# Allegro board XS6-9.brd (continued)
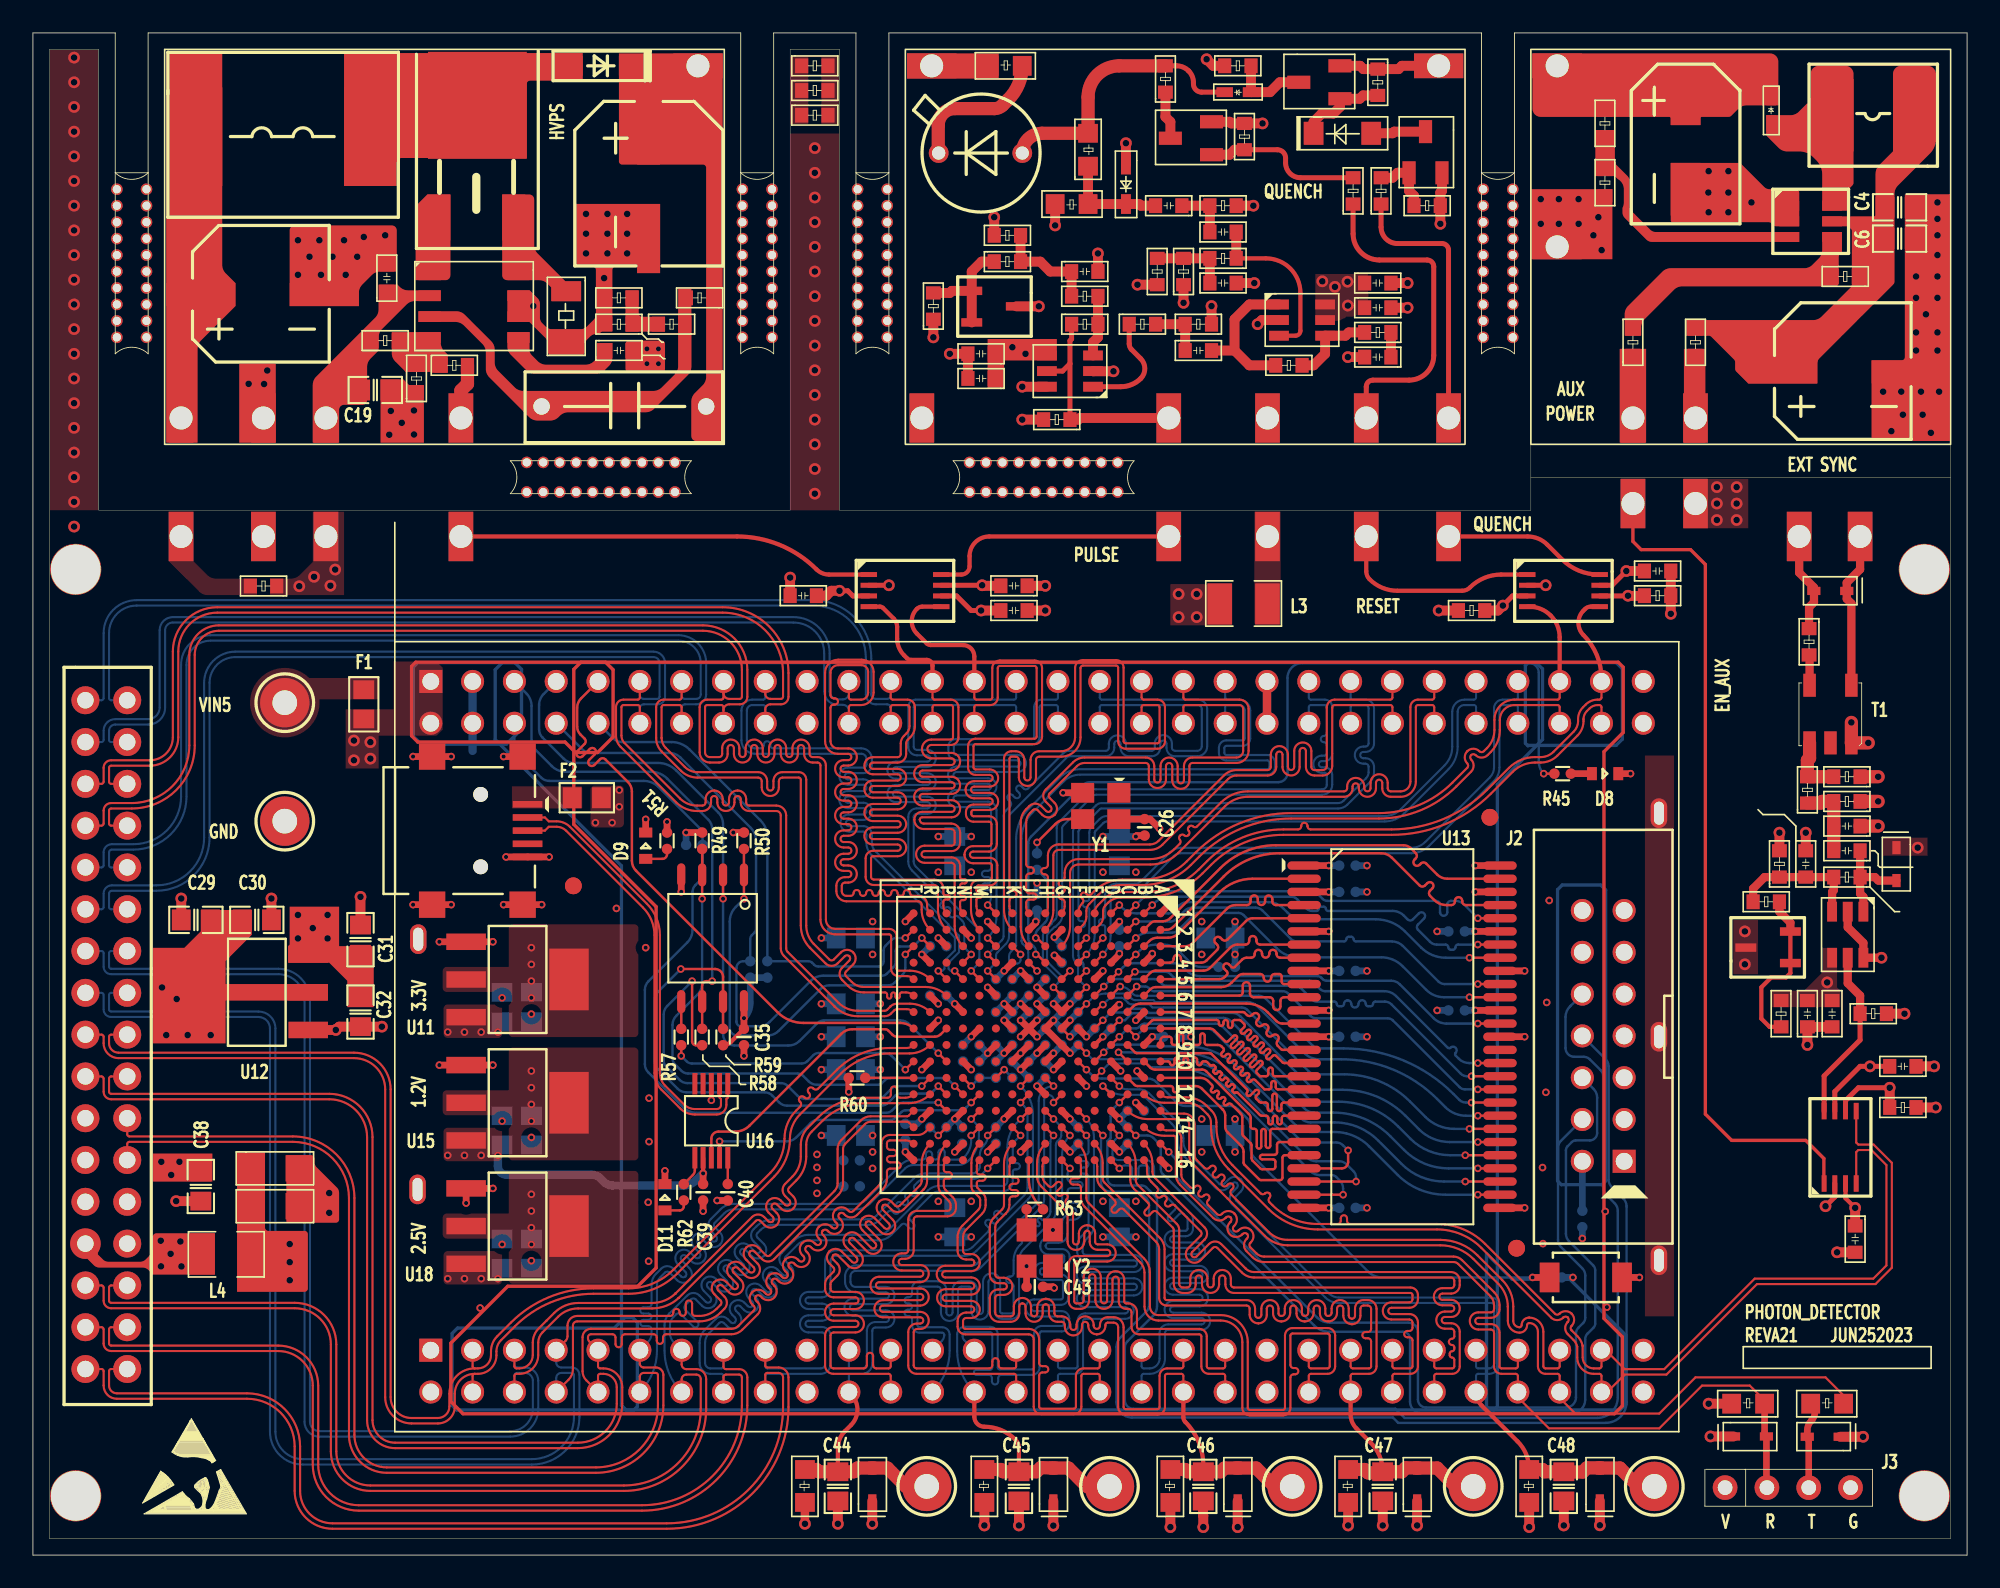
[diagram p0: board, top side]
## Routing (per net, layer and track width the routed paths; a pad name or vN(x,y) marks a point on that pad's centre or on a via; arc(x,y) is an arc through that point) (continued)
R11_IO_CCLK_2: length 30
  TOP w0.147: R58.2 U9.6 40.66,34.62 arc(40.73,34.8) 40.91,34.88 v3(41.26,34.88)
  BOTTOM w0.147: J4.5 29.97,52.37 arc(30.21,52.01) 30.29,51.6 30.29,49.52 arc(30.35,49.2) 30.53,48.94 31.51,47.96 31.53,47.94 arc(31.9,47.69) 32.35,47.6 37.52,47.6 arc(38.07,47.49) 38.53,47.18 41.04,44.68 arc(41.2,44.43) 41.26,44.13 v3(41.26,34.88)
R12_L52P_1: length 97.7
  TOP w0.127: J6.6 29.25,10.89 arc(29.29,10.98) 29.38,11.01 29.55,11.01 arc(30.36,11.35) 30.7,12.16 30.7,12.91 arc(30.77,13.25) 30.96,13.54 31.9,14.48 arc(32.46,14.86) 33.13,14.99 37.61,14.99 arc(38.48,15.15) 39.23,15.62 39.23,15.62 39.23,15.63 39.23,15.63 43.92,20.31 arc(44.05,20.37) 44.19,20.31 44.45,20.05 arc(44.81,19.9) 45.18,20.05 arc(45.34,20.42) 45.18,20.79 44.92,21.05 arc(44.92,21.32) 45.19,21.32 45.45,21.06 arc(45.82,20.91) 46.19,21.06 46.19,21.06 arc(46.34,21.43) 46.19,21.8 45.93,22.05 arc(45.88,22.19) 45.93,22.32 46.38,22.77 arc(46.82,23.44) 46.98,24.22 46.98,24.94 arc(47.07,25.37) 47.31,25.74 47.97,26.4 arc(49.15,27.18) 50.54,27.46 53.2,27.46 arc(53.9,27.6) U14.R12
  BOTTOM w0.127: J5.13 4.75,36.71 arc(4.66,36.67) 4.62,36.58 4.62,35.76 arc(4.66,35.67) 4.75,35.63 14.9,35.63 arc(16.26,35.06) 16.83,33.7 16.83,8.1 arc(17,7.7) 17.4,7.53 29,7.53 arc(29.97,7.93) 30.37,8.9 30.37,10.6 arc(30.23,10.93) 29.9,11.07 29.4,11.07 arc(29.29,11.03) 29.25,10.92 J6.6
R14_L50P_1: length 95.3
  TOP w0.127: J5.19 4.75,29.09 arc(4.66,29.05) 4.62,28.96 4.62,28.16 arc(4.66,28.07) 4.75,28.03 18,28.03 arc(19.86,27.26) 20.63,25.4 20.63,8.2 arc(21.03,7.23) 22,6.83 33.1,6.83 arc(34.78,7.52) 35.47,9.2 35.47,10.2 arc(35.23,10.78) 34.66,11.01 34.46,11.01 arc(34.37,10.98) 34.33,10.89 J6.10 33.62,10.62 arc(33.45,10.87) 33.39,11.17 33.39,13.24 arc(33.54,13.6) 33.9,13.75 42.43,13.75 arc(42.66,13.8) 42.86,13.93 43.8,14.87 arc(43.85,15) 43.8,15.13 43.69,15.24 arc(43.54,15.6) 43.69,15.97 arc(44.06,16.13) 44.43,15.97 44.53,15.87 arc(44.8,15.87) 44.8,16.14 44.7,16.24 arc(44.55,16.61) 44.7,16.98 44.7,16.98 arc(45.07,17.13) 45.44,16.98 45.54,16.88 arc(45.81,16.88) 45.81,17.15 45.71,17.25 arc(45.56,17.6) 45.71,17.96 arc(46.09,18.12) 46.47,17.96 46.55,17.88 arc(46.82,17.88) 46.82,18.15 46.74,18.23 arc(46.59,18.6) 46.74,18.97 arc(47.11,19.12) 47.48,18.97 47.55,18.89 arc(47.82,18.89) 47.82,19.16 47.75,19.24 arc(47.6,19.59) 47.75,19.95 arc(48.13,20.11) 48.51,19.95 48.56,19.9 arc(48.83,19.9) 48.83,20.17 48.75,20.24 arc(48.6,20.61) 48.75,20.98 arc(49.12,21.13) 49.49,20.98 49.57,20.9 arc(49.7,20.85) 49.84,20.9 51.38,22.45 arc(51.51,22.64) 51.55,22.86 51.55,25.02 arc(51.7,25.38) 52.06,25.53 53.76,25.53 arc(54.01,25.58) 54.22,25.72 U14.R14
R15_L49P_1: length 37.8
  TOP w0.127: J6.24 52.11,10.89 arc(52.07,10.98) 51.98,11.01 48.63,11.01 arc(48.27,11.16) 48.12,11.52 48.12,13.34 arc(48.27,13.71) 48.64,13.86 49.96,13.86 arc(50.15,14.05) 49.96,14.24 48.64,14.24 arc(48.12,14.76) 48.64,15.28 49.96,15.28 arc(50.15,15.47) 49.96,15.66 48.64,15.66 arc(48.27,15.82) 48.12,16.18 48.12,16.45 arc(48.17,16.68) 48.3,16.88 48.63,17.21 arc(48.69,17.34) 48.63,17.48 48.39,17.72 arc(48.24,18.09) 48.39,18.46 48.39,18.46 arc(48.76,18.61) 49.12,18.46 49.76,17.82 arc(50.03,17.82) 50.03,18.09 49.39,18.73 arc(49.24,19.09) 49.39,19.46 49.39,19.46 arc(49.76,19.62) 50.13,19.46 50.91,18.69 arc(51.18,18.69) 51.18,18.96 50.4,19.73 arc(50.25,20.1) 50.4,20.47 arc(50.77,20.62) 51.14,20.47 51.73,19.88 arc(52,19.87) 52,20.14 51.41,20.74 arc(51.26,21.11) 51.41,21.48 arc(51.78,21.63) 52.14,21.48 52.39,21.24 arc(52.52,21.18) 52.66,21.24 53.87,22.45 arc(53.96,22.58) 53.99,22.74 53.99,23.77 arc(54.12,24.43) U14.R15
R16_L49N_1: length 37.8
  TOP w0.127: J6.23 52.11,11.47 arc(52.07,11.38) 51.98,11.34 51.23,11.34 arc(51.1,11.4) 51.04,11.54 51.04,12.11 arc(50.85,12.3) 50.66,12.11 50.66,11.54 arc(50.61,11.4) 50.47,11.34 48.63,11.34 arc(48.5,11.4) 48.45,11.52 48.45,13.34 arc(48.51,13.47) 48.64,13.53 49.96,13.53 arc(50.48,14.05) 49.96,14.57 48.64,14.57 arc(48.45,14.76) 48.64,14.95 49.96,14.95 arc(50.48,15.47) 49.96,15.99 48.64,15.99 arc(48.51,16.05) 48.45,16.18 48.45,16.45 arc(48.47,16.56) 48.54,16.65 48.86,16.98 arc(49.02,17.34) 48.86,17.71 48.62,17.95 arc(48.57,18.09) 48.62,18.22 48.62,18.22 arc(48.76,18.28) 48.89,18.22 49.53,17.59 arc(50.26,17.59) 50.26,18.32 49.63,18.96 arc(49.57,19.09) 49.63,19.23 arc(49.76,19.29) 49.9,19.23 50.67,18.45 arc(51.41,18.45) 51.41,19.19 50.63,19.97 arc(50.58,20.1) 50.63,20.24 50.64,20.24 arc(50.77,20.29) 50.9,20.24 51.5,19.64 arc(52.24,19.64) 52.24,20.38 51.64,20.97 arc(51.59,21.11) 51.64,21.24 51.64,21.24 arc(51.78,21.3) 51.91,21.24 52.15,21 arc(52.52,20.85) 52.89,21 54.1,22.22 arc(54.26,22.46) 54.32,22.74 54.32,23.63 arc(54.36,23.8) 54.46,23.96 U14.R16
RESET_DISCHARGE: length 20.3
  TOP w0.3: R12.1 80.2,80.3 arc(80.67,79.17) 81.8,78.7 84.7,78.7 arc(84.98,78.58) 85.1,78.3 85.1,72.9 arc(84.66,71.84) 83.6,71.4 81.4,71.4 arc(81.12,71.28) 81,71 TP13.1
RESET_DISCHARGE_OUT: length 12.7
  TOP w0.254: 90.78,59.58 89.2,59.58 arc(88.17,59.38) 87.3,58.8 arc(87.08,58.65) 86.82,58.6 82.89,58.6 arc(81.98,58.78) 81.2,59.3 arc(81.05,59.52) 81,59.78 TP25.1
RXD: length 17.8
  TOP w0.147: U14.M12 v3(57,27.5) ; U16.9 v3(41.71,25.14)
  BOTTOM w0.147: v3(41.71,25.14) 45.8,25.14 arc(46.11,25.2) 46.37,25.38 47.26,26.27 arc(47.46,26.4) 47.69,26.45 52.09,26.45 arc(52.27,26.48) 52.43,26.59 52.77,26.93 arc(52.88,27) 53.02,27.03 56.28,27.03 arc(56.5,27.07) 56.7,27.2 arc(56.7,27.2) 56.71,27.21 v3(57,27.5)
SDRAM_A0: length 16.3
  TOP w0.147: U14.C11 66.93,28.57 arc(67,28.52) 67.09,28.5 69.13,28.5 arc(69.22,28.46) 69.26,28.37 69.26,28.26 arc(69.4,28.12) 69.54,28.26 69.54,28.37 arc(69.58,28.46) 69.68,28.5 70.62,28.5 arc(70.84,28.46) 71.02,28.34 72.28,27.08 72.29,27.07 arc(72.39,26.91) 72.43,26.72 72.43,26.04 arc(72.47,25.85) 72.57,25.69 72.62,25.65 73.4,24.87 arc(73.51,24.7) 73.55,24.5 73.55,23.84 arc(73.56,23.78) 73.59,23.74 74.5,22.83 arc(74.54,22.8) 74.6,22.79 75.76,22.79 arc(75.87,22.83) 75.91,22.93 75.91,24.15 arc(75.95,24.26) 76.06,24.3 U13.23
SDRAM_A1: length 20.5
  TOP w0.147: U14.C10 v3(65.95,30.55) ; U13.24 79.52,23.5 arc(79.79,23.61) 79.9,23.88 v3(79.9,24.59)
  BOTTOM w0.147: v3(65.95,30.55) 69.64,30.55 arc(71.5,30.18) 73.07,29.13 76.88,25.33 arc(77.16,25.14) 77.49,25.07 79.18,25.07 arc(79.4,25.03) 79.58,24.91 v3(79.9,24.59)
SDRAM_A2: length 23.5
  TOP w0.147: U13.25 v3(80.38,22.7) ; U14.F9 v3(64,30.5)
  BOTTOM w0.127: 68.34,30.13 64.47,30.13 arc(64.38,30.15) 64.3,30.2 v3(64,30.5)
  BOTTOM w0.147: 68.34,30.13 69.46,30.13 arc(71.29,29.77) 72.83,28.73 77.41,24.16 arc(77.66,23.99) 77.96,23.93 79.37,23.93 arc(79.6,23.88) 79.8,23.75 80.23,23.32 arc(80.34,23.15) 80.38,22.95 v3(80.38,22.7)
SDRAM_A3: length 21.2
  TOP w0.127: U14.E11 v3(64.92,29.42)
  TOP w0.147: U13.26 v3(79.59,21.9)
  BOTTOM w0.127: 68.29,29.65 68.02,29.65 arc(67.92,29.67) 67.83,29.72 67.74,29.81 arc(67.67,29.86) 67.58,29.88 65.57,29.88 arc(65.39,29.84) 65.24,29.74 v3(64.92,29.42)
  BOTTOM w0.147: v3(79.59,21.9) 79.59,22.28 arc(79.54,22.54) 79.4,22.76 79.17,22.98 arc(79.05,23.06) 78.9,23.09 78.18,23.09 arc(77.87,23.16) 77.6,23.33 72.86,28.08 arc(71.12,29.24) 69.07,29.65 68.29,29.65
SDRAM_A4: length 28.2
  TOP w0.147: U13.29 v3(87.78,21.9) ; U14.E10 v3(65.05,30.55)
  BOTTOM w0.147: v3(87.78,21.9) 85.81,21.9 arc(84.24,22.21) 82.91,23.1 81.17,24.85 arc(80.53,25.33) 79.78,25.63 arc(79.44,25.69) 79.09,25.71 77.69,25.71 arc(77.17,25.81) 76.74,26.1 73.23,29.6 arc(71.78,30.57) 70.07,30.92 67.43,30.92 67.32,31.02 65.86,31.02 arc(65.59,30.97) 65.36,30.85 arc(65.32,30.82) 65.28,30.78 v3(65.05,30.55)
SDRAM_A5: length 26.5
  TOP w0.147: U13.30 v3(87.02,22.7) ; U14.C8 v3(67,31.5)
  BOTTOM w0.147: v3(67,31.5) 67.38,31.88 arc(67.53,31.98) 67.71,32.02 71.24,32.02 arc(71.53,31.96) 71.78,31.79 77.04,26.53 arc(77.31,26.36) 77.62,26.29 79.07,26.29 arc(80.5,26.01) 81.72,25.2 83.15,23.77 arc(84.33,22.98) 85.73,22.7 v3(87.02,22.7)
SDRAM_A6: length 27.3
  TOP w0.147: U13.31 v3(87.78,23.5) ; U14.D9 v3(66,31.5)
  BOTTOM w0.147: v3(87.78,23.5) 86,23.5 arc(84.54,23.79) 83.3,24.62 82.46,25.46 arc(80.87,26.52) 79,26.89 77.82,26.89 arc(77.52,26.95) 77.27,27.12 72.28,32.11 arc(72.08,32.24) 71.84,32.29 67.53,32.29 arc(67.41,32.27) 67.31,32.2 67.2,32.08 arc(67.11,32.03) 67.01,32.01 66.69,32.01 arc(66.52,31.97) 66.38,31.88 66.35,31.84 v3(66,31.5)
SDRAM_A7: length 27.2
  TOP w0.147: U14.D8 v3(66,32.5) ; U13.32 v3(87.02,24.3)
  BOTTOM w0.147: v3(66,32.5) 66.34,32.5 66.77,32.93 67.39,32.93 67.68,32.64 72.31,32.64 arc(72.56,32.59) 72.77,32.45 77.45,27.78 arc(77.7,27.61) 78,27.55 79.32,27.55 arc(81.27,27.16) 82.93,26.06 83.68,25.3 arc(84.79,24.56) 86.11,24.3 v3(87.02,24.3)
SDRAM_A8: length 28
  TOP w0.147: U14.E8 v3(65,32.5) ; U13.33 v3(87.78,25.1)
  BOTTOM w0.147: v3(87.78,25.1) 86.07,25.1 arc(85.06,25.3) 84.2,25.87 83.37,26.7 arc(81.63,27.87) 79.58,28.27 78.14,28.27 arc(77.84,28.33) 77.59,28.5 73.36,32.73 arc(73.12,32.89) 72.84,32.95 67.78,32.95 67.53,33.2 66.46,33.2 66.23,32.97 65.66,32.97 arc(65.49,32.94) 65.34,32.84 v3(65,32.5)
SDRAM_A9: length 27.8
  TOP w0.147: v3(65,33.45) 64.95,33.45 U14.E7 ; U13.34 v3(87.27,25.9)
  BOTTOM w0.127: v3(65,33.45) 65.24,33.69 arc(65.44,33.82) 65.67,33.87 66.11,33.87 arc(66.22,33.85) 66.31,33.79 66.54,33.56 arc(66.64,33.49) 66.76,33.47 67.82,33.47 68.01,33.28 68.7,33.28
  BOTTOM w0.147: 68.7,33.28 73.43,33.28 arc(73.61,33.24) 73.76,33.14 77.51,29.39 arc(77.71,29.26) 77.94,29.21 79.67,29.21 arc(81.83,28.78) 83.66,27.56 84.6,26.62 arc(85.4,26.09) 86.34,25.9 v3(87.27,25.9)
SDRAM_A10: length 16.6
  TOP w0.147: U13.22 75.73,25.1 arc(75.62,25.06) 75.58,24.95 75.58,24.47 arc(75.54,24.37) 75.43,24.32 74.68,24.32 arc(74.54,24.19) 74.68,24.05 75.34,24.05 arc(75.44,24.01) 75.48,23.91 75.48,23.6 arc(75.44,23.49) 75.33,23.45 74.68,23.45 arc(74.62,23.46) 74.57,23.49 74.1,23.96 arc(74.05,24.04) 74.03,24.13 74.03,24.91 arc(74.02,24.97) 73.99,25.02 73.51,25.49 arc(73.48,25.54) 73.47,25.59 73.47,26.58 arc(73.45,26.71) 73.37,26.83 72.79,27.4 arc(72.69,27.45) 72.6,27.4 72.57,27.37 arc(72.37,27.37) 72.37,27.57 72.4,27.6 arc(72.4,27.79) 72.21,27.79 72.18,27.76 arc(71.98,27.76) 71.98,27.95 72.02,27.99 arc(72.02,28.18) 71.82,28.18 71.79,28.15 arc(71.6,28.15) 71.6,28.34 71.63,28.37 arc(71.67,28.47) 71.63,28.57 71.39,28.81 arc(71.18,28.95) 70.93,29 U14.A11
SDRAM_A11: length 28.6
  TOP w0.147: U13.35 v3(87.78,26.7) ; U14.F7 v3(64,33.5)
  BOTTOM w0.127: v3(64,33.5) 64.24,33.74 arc(64.66,34.02) 65.17,34.12 66.33,34.12 arc(66.43,34.1) 66.52,34.05 66.75,33.82 arc(66.85,33.75) 66.98,33.72 68.08,33.72 68.19,33.61 68.7,33.61
  BOTTOM w0.147: v3(87.78,26.7) 87.06,26.7 arc(86.38,26.84) 85.8,27.22 85.31,27.72 arc(82.64,29.5) 79.49,30.13 78.15,30.13 arc(77.65,30.23) 77.23,30.51 74.39,33.35 arc(74.1,33.54) 73.77,33.61 68.7,33.61
SDRAM_A12: length 26.2
  TOP w0.147: U13.36 v3(87.4,27.5) ; U14.D6 v3(66.05,34.55)
  BOTTOM w0.127: 68.7,33.99 67.09,33.99 arc(66.94,34.02) 66.82,34.1 66.65,34.28 66.6,34.32 arc(66.35,34.49) v3(66.05,34.55)
  BOTTOM w0.147: 68.7,33.99 74.46,33.99 arc(74.7,33.94) 74.89,33.81 77.74,30.97 arc(77.94,30.84) 78.17,30.79 79.62,30.79 arc(83.23,30.07) 86.29,28.02 86.65,27.66 arc(86.84,27.54) 87.05,27.5 v3(87.4,27.5)
SDRAM_BA0: length 16
  TOP w0.147: U14.A10 68.97,30 arc(69.04,29.97) 69.08,29.89 arc(69.11,29.81) 69.19,29.78 69.24,29.78 arc(69.32,29.81) 69.35,29.89 69.35,30.11 arc(69.38,30.19) 69.46,30.22 69.51,30.22 arc(69.59,30.19) 69.62,30.11 69.62,29.89 arc(69.66,29.81) 69.74,29.78 69.79,29.78 arc(69.87,29.81) 69.9,29.89 69.9,30.11 arc(69.93,30.19) 70.01,30.22 70.06,30.22 arc(70.14,30.19) 70.17,30.11 70.17,29.89 arc(70.21,29.81) 70.28,29.78 70.33,29.78 arc(70.41,29.81) 70.45,29.89 70.45,30.11 arc(70.48,30.19) 70.56,30.22 70.61,30.22 arc(70.69,30.19) 70.72,30.11 70.72,29.89 arc(70.75,29.81) 70.83,29.78 70.88,29.78 arc(70.96,29.81) 70.99,29.89 arc(71.03,29.97) 71.11,30 71.23,30 arc(71.28,29.99) 71.33,29.96 71.53,29.76 arc(71.58,29.74) 71.64,29.76 arc(71.69,29.79) 71.75,29.76 71.83,29.68 arc(71.85,29.62) 71.83,29.57 71.72,29.46 arc(71.7,29.4) 71.72,29.35 71.8,29.26 arc(71.86,29.24) 71.91,29.26 72.02,29.38 arc(72.08,29.4) 72.14,29.37 72.22,29.29 arc(72.24,29.24) 72.22,29.18 72.11,29.07 arc(72.08,29.01) 72.11,28.96 72.19,28.88 arc(72.25,28.85) 72.3,28.88 72.41,28.99 arc(72.47,29.01) 72.52,28.99 72.61,28.9 arc(72.63,28.85) 72.61,28.79 72.49,28.68 arc(72.47,28.63) 72.49,28.57 72.58,28.49 arc(72.63,28.47) 72.69,28.49 72.8,28.6 arc(72.86,28.62) 72.91,28.6 72.99,28.52 arc(73.02,28.46) 72.99,28.41 72.88,28.3 arc(72.86,28.24) 72.88,28.18 72.97,28.1 arc(73.02,28.08) 73.08,28.1 73.08,28.1 arc(73.13,28.12) 73.19,28.1 74.55,26.74 arc(74.59,26.71) 74.65,26.7 74.91,26.7 arc(75.01,26.66) 75.05,26.56 75.05,26.31 arc(75.19,26.17) 75.32,26.31 75.32,26.56 arc(75.46,26.7) 75.6,26.56 75.6,26.31 arc(75.73,26.17) 75.87,26.31 75.87,26.56 arc(75.91,26.66) 76.01,26.7 U13.20
SDRAM_BA1: length 16
  TOP w0.147: U13.21 75.31,25.9 arc(75.21,25.86) 75.17,25.76 75.17,24.87 arc(75.03,24.74) 74.9,24.87 74.9,25.76 arc(74.76,25.9) 74.62,25.76 74.62,24.83 arc(74.48,24.69) 74.35,24.83 74.35,25.76 arc(74.31,25.86) 74.21,25.9 74.13,25.9 arc(74.02,25.94) 73.98,26.05 73.98,26.55 arc(73.95,26.69) 73.87,26.81 71.29,29.39 arc(71.16,29.47) 71.02,29.5 68.18,29.5 arc(68.01,29.54) 67.87,29.63 U14.B10
SDRAM_DQ0: length 11.2
  TOP w0.147: U14.B3 67.81,37.31 arc(68.04,37.46) 68.31,37.52 68.96,37.52 arc(69.3,37.58) 69.58,37.77 72.08,40.27 arc(73,40.88) 74.08,41.1 U13.2
SDRAM_DQ1: length 11.3
  TOP w0.147: U13.4 75.51,39.5 arc(75.36,39.56) 75.29,39.72 75.29,39.87 arc(75.07,40.09) 74.85,39.87 74.85,39.72 arc(74.63,39.5) 74.41,39.72 74.41,39.87 arc(74.19,40.09) 73.97,39.87 73.97,39.72 arc(73.91,39.56) 73.75,39.5 73.04,39.5 arc(72.78,39.45) 72.56,39.3 70.42,37.16 arc(70.24,37.04) 70.03,37 U14.A3
SDRAM_DQ2: length 11.2
  TOP w0.147: U14.A4 69.08,36 arc(69.24,36.06) 69.3,36.22 69.3,36.26 arc(69.52,36.48) 69.74,36.26 69.74,36.22 arc(69.81,36.06) 69.96,36 70.97,36 arc(71.15,36.04) 71.3,36.14 71.94,36.78 arc(72.01,36.93) 71.94,37.09 71.84,37.2 arc(71.84,37.51) 72.15,37.51 72.25,37.4 arc(72.41,37.34) 72.57,37.4 73.7,38.54 arc(73.88,38.66) 74.1,38.7 U13.5
SDRAM_DQ3: length 11.2
  TOP w0.147: U13.7 74.55,37.1 arc(74.39,37.16) 74.33,37.32 74.33,37.4 arc(74.11,37.62) 73.89,37.4 73.89,37.32 arc(73.82,37.16) 73.66,37.1 73.17,37.1 arc(72.94,37.05) 72.75,36.92 71.5,35.68 arc(71.32,35.56) 71.11,35.52 68.2,35.52 arc(68.03,35.48) 67.88,35.38 U14.B5
SDRAM_DQ4: length 11.2
  TOP w0.147: U14.A5 72.09,35 arc(72.26,35.03) 72.4,35.13 72.54,35.26 arc(72.58,35.36) 72.54,35.46 72.37,35.62 arc(72.37,35.9) 72.66,35.9 72.82,35.74 arc(72.91,35.7) 73.01,35.74 73.46,36.19 arc(73.58,36.27) 73.73,36.3 74.01,36.3 arc(74.16,36.36) 74.23,36.52 74.23,36.56 arc(74.45,36.78) 74.67,36.56 74.67,36.52 arc(74.89,36.3) 75.11,36.52 75.11,36.56 arc(75.33,36.78) 75.55,36.56 75.55,36.52 arc(75.61,36.36) 75.77,36.3 U13.8
SDRAM_DQ5: length 11.2
  TOP w0.147: U14.B6 67.88,34.38 arc(68.03,34.48) 68.21,34.52 72.18,34.52 arc(72.52,34.58) 72.81,34.78 73.23,35.2 arc(73.36,35.28) 73.51,35.31 74.56,35.31 arc(74.71,35.25) 74.78,35.09 74.78,35.07 arc(75,34.85) 75.22,35.07 75.22,35.09 arc(75.28,35.25) 75.44,35.31 75.71,35.31 arc(75.82,35.27) 75.86,35.16 75.86,34.85 arc(75.9,34.75) 76.01,34.7 U13.10
SDRAM_DQ6: length 11.3
  TOP w0.147: U14.A6 73.3,34 arc(73.44,34.06) 73.5,34.2 73.5,34.59 arc(73.72,34.81) 73.94,34.59 73.94,34.12 arc(74,33.96) 74.16,33.9 75.13,33.9 arc(75.28,33.84) 75.35,33.68 75.35,33.34 arc(75.57,33.12) 75.79,33.34 75.79,33.68 arc(75.85,33.84) 76.01,33.9 U13.11
SDRAM_DQ7: length 11.3
  TOP w0.147: U13.13 75.91,32.3 arc(75.71,32.34) 75.54,32.45 75.02,32.98 arc(74.42,33.38) 73.72,33.52 67.29,33.52 arc(67.04,33.47) 66.82,33.32 U14.C7
SDRAM_DQ8: length 25.3
  TOP w0.147: U14.D5 v3(65.95,35.45) ; U13.42 v3(87.78,32.3)
  BOTTOM w0.147: v3(87.78,32.3) 85.87,32.3 arc(85.46,32.38) 85.1,32.62 83.03,34.69 arc(82.8,34.85) 82.51,34.9 78.58,34.9 arc(78.46,34.93) 78.36,34.99 78.26,35.09 arc(78.16,35.16) 78.04,35.18 70.91,35.18 arc(70.46,35.27) 70.08,35.53 69.88,35.72 arc(69.61,35.91) 69.29,35.97 66.82,35.97 arc(66.5,35.91) 66.23,35.72 v3(65.95,35.45)
SDRAM_DQ9: length 25.3
  TOP w0.147: U13.44 v3(87.27,33.9) ; U14.C3 v3(67,37.5)
  BOTTOM w0.147: v3(87.27,33.9) 85.72,33.9 arc(85.14,34.02) 84.65,34.35 83.2,35.8 arc(82.61,36.19) 81.92,36.33 76.87,36.33 arc(76.17,36.46) 75.58,36.86 73.55,38.89 arc(73.4,38.99) 73.23,39.02 70.77,39.02 arc(70.64,39) 70.54,38.93 69.59,37.98 arc(69.42,37.86) 69.22,37.82 67.78,37.82 arc(67.36,37.74) v3(67,37.5)
SDRAM_DQ10: length 25.3
  TOP w0.147: U13.45 v3(87.78,34.7) ; U14.C2 v3(67,38.5)
  BOTTOM w0.147: v3(87.78,34.7) 85.77,34.7 arc(85.55,34.74) 85.37,34.87 83.22,37.02 arc(82.92,37.22) 82.56,37.29 80.37,37.29 arc(80.27,37.33) 80.23,37.43 arc(80.19,37.53) 80.09,37.57 79.93,37.57 arc(79.83,37.53) 79.79,37.43 arc(79.75,37.33) 79.65,37.29 76.8,37.29 arc(76.59,37.33) 76.41,37.46 74.69,39.17 arc(74.49,39.3) 74.26,39.35 70.44,39.35 arc(70.19,39.3) 69.98,39.16 69.48,38.66 arc(69.3,38.54) 69.09,38.5 v3(67,38.5)
SDRAM_DQ11: length 25.3
  TOP w0.147: U14.D1 v3(66,39.5) ; U13.47 v3(87.27,36.3)
  BOTTOM w0.147: v3(87.27,36.3) 85.83,36.3 arc(85.02,36.46) 84.33,36.92 83.35,37.9 arc(82.54,38.45) 81.57,38.64 77.22,38.64 arc(76.67,38.75) 76.2,39.06 75.95,39.31 arc(75.54,39.58) 75.06,39.68 70.14,39.68 arc(69.86,39.62) 69.62,39.46 69.27,39.11 arc(69.14,39.02) 68.99,38.99 67.07,38.99 arc(66.55,39.1) 66.11,39.39 v3(66,39.5)
SDRAM_DQ12: length 25.3
  TOP w0.147: U13.48 v3(87.78,37.1) ; U14.B1 v3(68,39.5)
  BOTTOM w0.147: v3(87.78,37.1) 86.58,37.1 arc(86.47,37.05) 86.42,36.94 arc(86.37,36.83) 86.26,36.78 86.14,36.78 arc(86.03,36.83) 85.98,36.94 arc(85.93,37.05) 85.82,37.1 85.28,37.1 arc(85.06,37.14) 84.88,37.27 84.14,38 arc(84.08,38.16) 84.14,38.31 84.51,38.69 arc(84.51,39) 84.2,39 83.83,38.63 arc(83.67,38.56) 83.52,38.63 83.28,38.86 arc(82.97,39.07) 82.59,39.15 78.68,39.15 arc(78.59,39.18) 78.55,39.27 arc(78.51,39.36) 78.42,39.4 78.24,39.4 arc(78.15,39.36) 78.11,39.27 arc(78.07,39.18) 77.98,39.15 77.71,39.15 arc(77.53,39.18) 77.37,39.29 76.8,39.86 arc(76.63,39.97) 76.43,40.01 69.12,40.01 arc(68.56,39.9) 68.08,39.57 v3(68,39.5)
SDRAM_DQ13: length 25.2
  TOP w0.147: U14.C1 v3(67,39.5) ; U13.50 v3(87.78,38.7)
  BOTTOM w0.147: v3(67,39.5) 67.63,40.13 arc(67.86,40.28) 68.14,40.34 77.73,40.34 arc(77.88,40.31) 78.01,40.22 78.36,39.87 arc(78.49,39.78) 78.64,39.75 85.26,39.75 arc(85.42,39.69) 85.48,39.53 85.48,39.06 arc(85.7,38.84) 85.92,39.06 85.92,39.53 arc(85.99,39.69) 86.14,39.75 86.42,39.75 arc(86.7,39.7) 86.94,39.54 v3(87.78,38.7)
SDRAM_DQ14: length 25
  TOP w0.147: U14.A2 68.86,38 arc(69.08,38.04) 69.27,38.17 72.34,41.24 arc(73.9,42.29) 75.74,42.65 81.91,42.65 arc(82.26,42.58) 82.55,42.38 84.25,40.69 arc(84.41,40.62) 84.56,40.69 84.71,40.83 arc(85.02,40.83) 85.02,40.52 84.87,40.37 arc(84.81,40.22) 84.87,40.06 85.12,39.82 arc(85.47,39.58) 85.89,39.5 86.17,39.5 arc(86.32,39.56) 86.39,39.72 86.39,39.76 arc(86.61,39.98) 86.83,39.76 86.83,39.72 arc(86.89,39.56) 87.05,39.5 U13.51
SDRAM_DQ15: length 25
  TOP w0.147: U13.53 85.92,41.1 arc(85.59,41.17) 85.31,41.36 84.63,42.03 arc(84.48,42.09) 84.32,42.03 84.24,41.95 arc(83.93,41.95) 83.93,42.26 84.01,42.34 arc(84.08,42.5) 84.01,42.65 83.72,42.94 arc(83.51,43.09) 83.25,43.14 75.5,43.14 arc(73.68,42.77) 72.12,41.74 69.1,38.71 arc(68.88,38.57) 68.63,38.52 68.19,38.52 arc(68.03,38.48) 67.9,38.4 U14.B2
SDRAM_LDQM: length 11.3
  TOP w0.147: U13.15 75.93,30.7 arc(75.88,30.71) 75.83,30.74 75.62,30.95 arc(75.56,31.11) 75.62,31.26 arc(75.62,31.57) 75.31,31.57 arc(75,31.57) 75,31.89 arc(75,32.2) 74.69,32.2 arc(74.37,32.2) 74.37,32.51 74.43,32.57 arc(74.43,32.88) 74.12,32.88 74.06,32.82 arc(73.91,32.76) 73.75,32.82 73.61,32.96 arc(73.57,32.99) 73.51,33 U14.A7
SDRAM_NSCAS: length 16.7
  TOP w0.147: U13.17 75.46,29.1 arc(75.36,29.14) 75.32,29.24 75.32,29.49 arc(75.18,29.63) 75.05,29.49 75.05,29.24 arc(75.01,29.14) 74.91,29.1 74.55,29.1 74.36,29.29 arc(74.32,29.39) 74.36,29.49 74.67,29.8 arc(74.67,30) 74.48,30 74.16,29.68 arc(73.97,29.68) 73.97,29.88 74.28,30.19 arc(74.28,30.38) 74.09,30.38 73.78,30.07 arc(73.58,30.07) 73.58,30.26 73.9,30.58 arc(73.9,30.77) 73.7,30.77 73.39,30.46 arc(73.19,30.46) 73.19,30.65 73.51,30.96 arc(73.51,31.16) 73.31,31.16 73,30.84 arc(72.81,30.84) 72.81,31.04 73.12,31.35 arc(73.12,31.55) 72.93,31.55 72.61,31.23 arc(72.52,31.19) 72.42,31.23 71.76,31.89 arc(71.64,31.97) 71.5,32 U14.A8
SDRAM_NSCS: length 15.9
  TOP w0.147: U14.C9 66.95,30.55 arc(67,30.51) 67.06,30.5 71.49,30.5 arc(71.54,30.49) 71.59,30.46 73.76,28.29 arc(73.79,28.21) 73.76,28.12 arc(73.73,28.04) 73.76,27.96 73.79,27.93 arc(73.87,27.9) 73.95,27.93 74.26,28.23 arc(74.45,28.23) 74.45,28.04 74.31,27.9 arc(74.28,27.82) 74.31,27.74 74.51,27.54 arc(74.56,27.51) 74.61,27.5 74.89,27.5 arc(74.98,27.46) 75.02,27.36 75.02,27.12 arc(75.16,26.98) 75.3,27.12 75.3,27.91 arc(75.43,28.05) 75.57,27.91 75.57,27.12 arc(75.71,26.98) 75.84,27.12 75.84,27.36 arc(75.88,27.46) 75.98,27.5 U13.19
SDRAM_NSRAS: length 16.5
  TOP w0.147: U14.A9 68.5,31.28 arc(68.57,31.44) 68.72,31.5 69.03,31.5 arc(69.13,31.46) 69.18,31.35 69.18,31.15 arc(69.22,31.04) 69.32,31 69.47,31 arc(69.57,31.04) 69.61,31.14 69.61,31.54 arc(69.75,31.68) 69.88,31.54 69.88,31.14 arc(69.92,31.04) 70.02,31 70.78,31 arc(70.87,31.04) 70.91,31.14 70.91,31.57 arc(71.05,31.7) 71.19,31.57 71.19,31.14 arc(71.23,31.04) 71.32,31 71.98,31 arc(72.11,30.97) 72.21,30.9 72.31,30.81 arc(72.35,30.71) 72.31,30.61 72.23,30.53 arc(72.23,30.33) 72.42,30.33 72.51,30.42 arc(72.7,30.42) 72.7,30.22 72.61,30.14 arc(72.61,29.94) 72.81,29.94 72.89,30.03 arc(73.09,30.03) 73.09,29.84 73,29.75 arc(73,29.56) 73.2,29.56 73.28,29.64 arc(73.48,29.64) 73.48,29.45 73.39,29.36 arc(73.39,29.17) 73.58,29.17 73.67,29.25 arc(73.86,29.25) 73.86,29.06 73.78,28.98 arc(73.78,28.78) 73.97,28.78 74.06,28.87 arc(74.15,28.91) 74.25,28.87 74.82,28.3 75.09,28.3 arc(75.19,28.34) 75.23,28.44 75.23,28.67 arc(75.37,28.81) 75.5,28.67 75.5,28.44 arc(75.54,28.34) 75.64,28.3 U13.18
SDRAM_NWE: length 16.3
  TOP w0.147: U13.16 76.02,29.9 arc(75.97,29.91) 75.92,29.94 75.52,30.34 arc(75.42,30.38) 75.33,30.34 75.15,30.17 arc(74.96,30.17) 74.96,30.36 75.13,30.53 arc(75.13,30.73) 74.94,30.73 74.76,30.55 arc(74.57,30.55) 74.57,30.75 74.74,30.92 arc(74.74,31.12) 74.55,31.12 74.38,30.94 arc(74.18,30.94) 74.18,31.13 74.36,31.31 arc(74.36,31.5) 74.16,31.5 73.99,31.33 arc(73.79,31.33) 73.79,31.52 73.97,31.7 arc(73.97,31.89) 73.78,31.89 73.6,31.72 arc(73.41,31.72) 73.41,31.91 73.58,32.08 arc(73.62,32.18) 73.58,32.28 73.39,32.47 arc(73.34,32.5) 73.28,32.52 73.01,32.52 arc(72.91,32.48) 72.87,32.38 72.87,32.17 arc(72.74,32.03) 72.6,32.17 72.6,32.38 arc(72.46,32.52) 72.33,32.38 72.33,32.3 arc(72.19,32.16) 72.05,32.3 72.05,32.38 arc(72.01,32.48) 71.91,32.52 68.08,32.52 arc(68.02,32.5) 67.97,32.47 U14.B8
SDRAM_SCKE: length 25.3
  TOP w0.147: U14.C6 v3(67.05,34.55) ; U13.37 v3(87.78,28.3)
  BOTTOM w0.147: v3(67.05,34.55) 67.57,34.55 arc(67.69,34.53) 67.79,34.46 67.9,34.36 arc(67.99,34.29) 68.11,34.27 75.92,34.27 arc(76.1,34.23) 76.25,34.13 77.62,32.76 arc(77.78,32.65) 77.96,32.62 82.31,32.62 arc(82.47,32.58) 82.62,32.49 86.67,28.44 arc(86.82,28.34) 87,28.3 v3(87.78,28.3)
SDRAM_SCLK: length 28.6
  TOP w0.147: U14.E6 v3(65.05,34.55) ; U13.38 v3(87.4,29.1)
  BOTTOM w0.147: v3(87.4,29.1) 87.11,29.1 arc(86.91,29.14) 86.74,29.25 82.53,33.47 arc(82.34,33.59) 82.13,33.63 81.55,33.63 arc(81.45,33.59) 81.41,33.49 arc(81.37,33.4) 81.27,33.35 81.11,33.35 arc(81.01,33.4) 80.97,33.49 arc(80.75,33.71) 80.53,33.49 arc(80.31,33.27) 80.09,33.49 arc(80.02,33.65) 79.87,33.71 arc(79.71,33.65) 79.65,33.49 arc(79.61,33.4) 79.51,33.35 79.35,33.35 arc(79.25,33.4) 79.21,33.49 arc(79.17,33.59) 79.07,33.63 78,33.63 arc(77.85,33.66) 77.73,33.75 77,34.47 arc(76.87,34.56) 76.71,34.59 68.87,34.59 arc(68.71,34.62) 68.58,34.71 68.4,34.89 arc(68.28,34.98) 68.13,35.01 65.67,35.01 arc(65.52,34.97) 65.39,34.89 v3(65.05,34.55)
SDRAM_UDQM: length 25.3
  TOP w0.147: U13.39 v3(87.78,29.9) ; U14.C5 v3(66.95,35.45)
  BOTTOM w0.147: v3(87.78,29.9) 87.25,29.9 arc(86.91,29.97) 86.62,30.16 86.43,30.36 arc(86.39,30.44) 86.43,30.52 arc(86.43,30.83) 86.12,30.83 arc(86.03,30.8) 85.95,30.83 82.81,33.97 arc(82.48,34.19) 82.1,34.27 78.5,34.27 arc(78.34,34.3) 78.2,34.4 77.78,34.81 arc(77.68,34.88) 77.56,34.9 69.8,34.9 arc(69.53,34.96) 69.31,35.11 69.1,35.31 arc(68.95,35.41) 68.77,35.45 v3(66.95,35.45)
T3_CSO_B_2: length 25.4
  TOP w0.147: R50.1 U9.1 v3(43.2,39.88) ; U14.T3 v3(53,36.5)
  BOTTOM w0.147: v3(43.2,39.88) 42.7,39.39 arc(42.43,38.98) 42.33,38.5 42.33,32.03 arc(42.46,31.71) 42.79,31.58 44.63,31.58 arc(44.99,31.65) 45.3,31.86 47.86,34.41 arc(48.09,34.57) 48.38,34.62 51.97,34.62 arc(52.17,34.66) 52.34,34.78 52.82,35.26 arc(52.95,35.46) 53,35.69 v3(53,36.5)
